# Altium PCB SI944D.PcbDoc (part 1 of 5)
Units mm, origin at the board's own origin, x right, y up, seen from the top; angles counter-clockwise.
Board outline 281.94 x 89 mm, 4 copper layers (Top, MidLayer1, MidLayer2, Bottom), stack 1.65 mm thick; 571 components, 351 nets, 1529 pads, 905 vias.
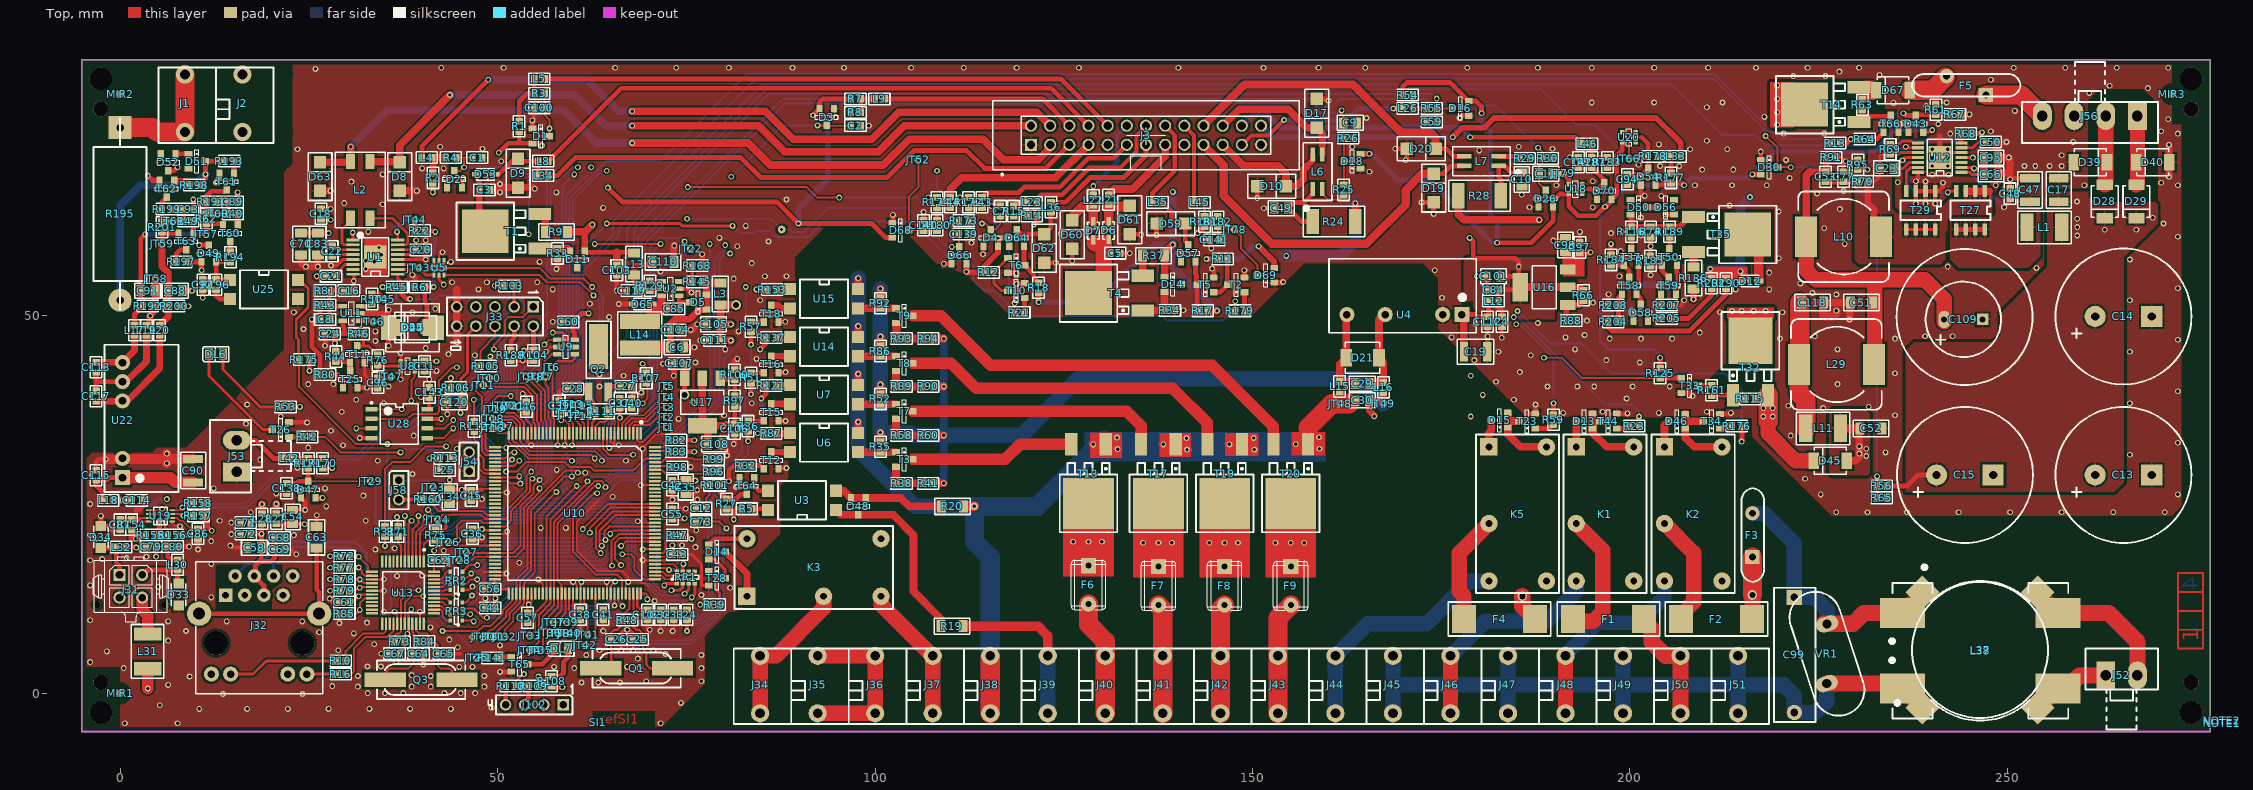
[diagram p0: Top view]
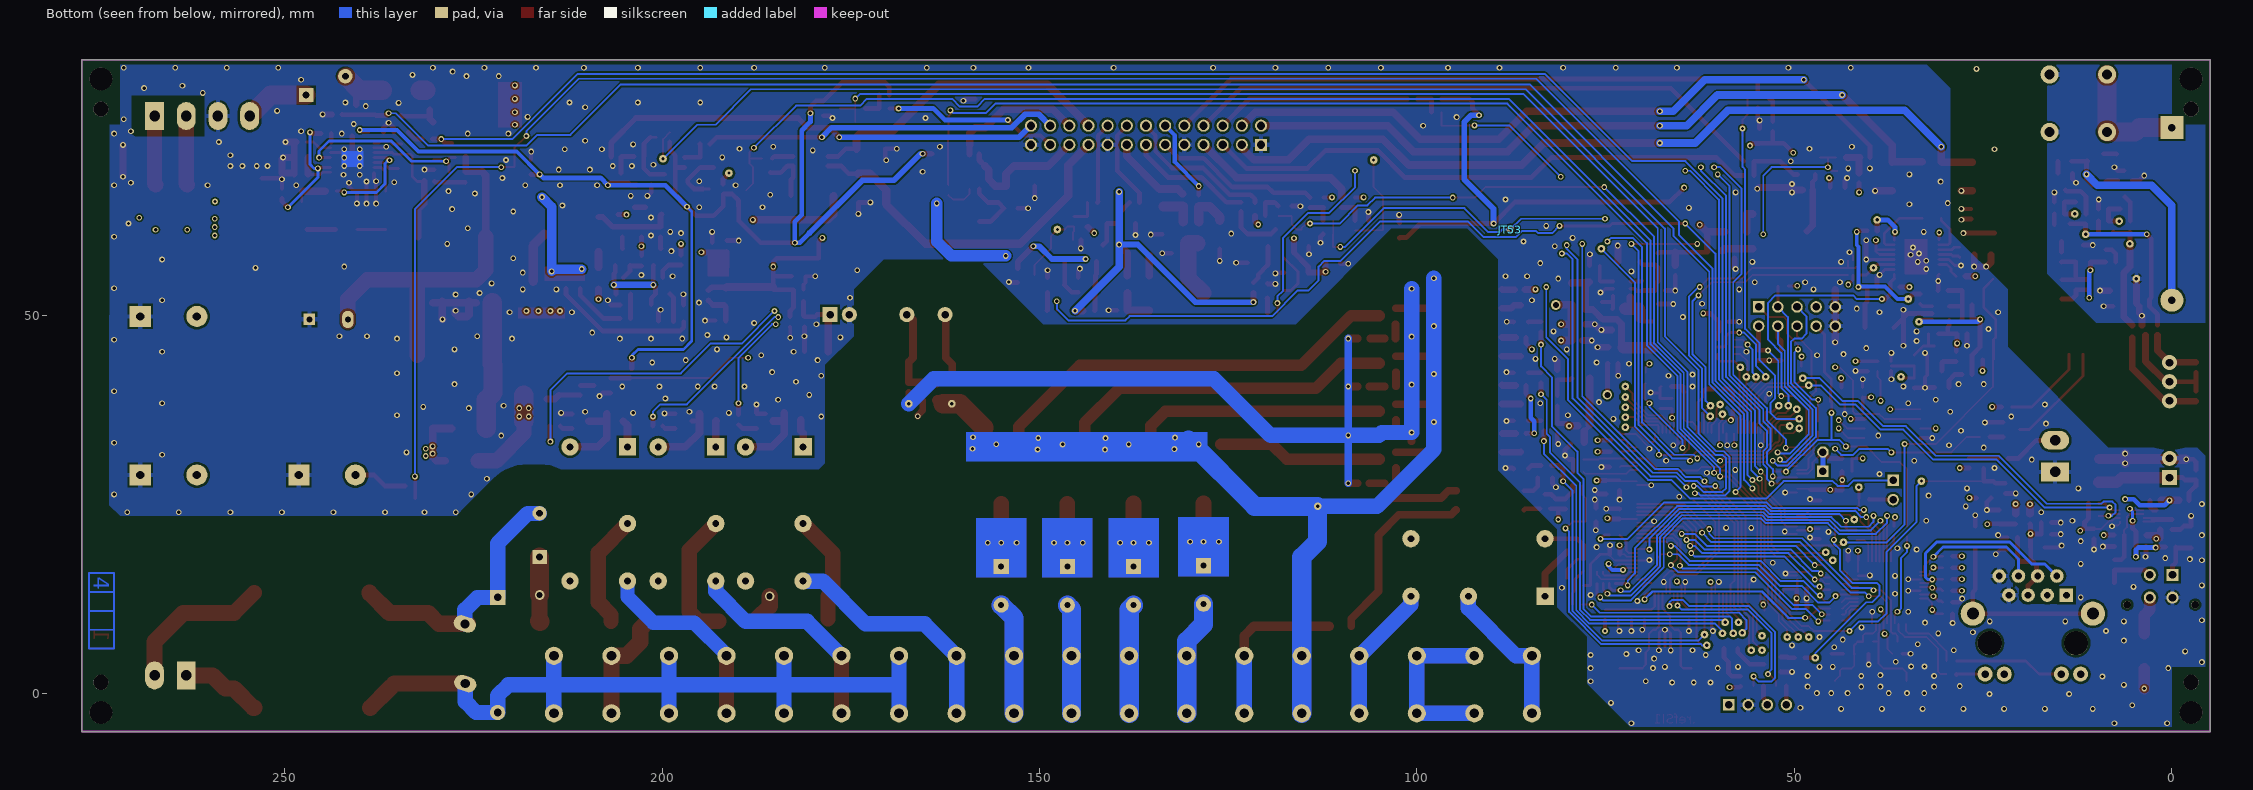
[diagram p1: Bottom view, seen from below]
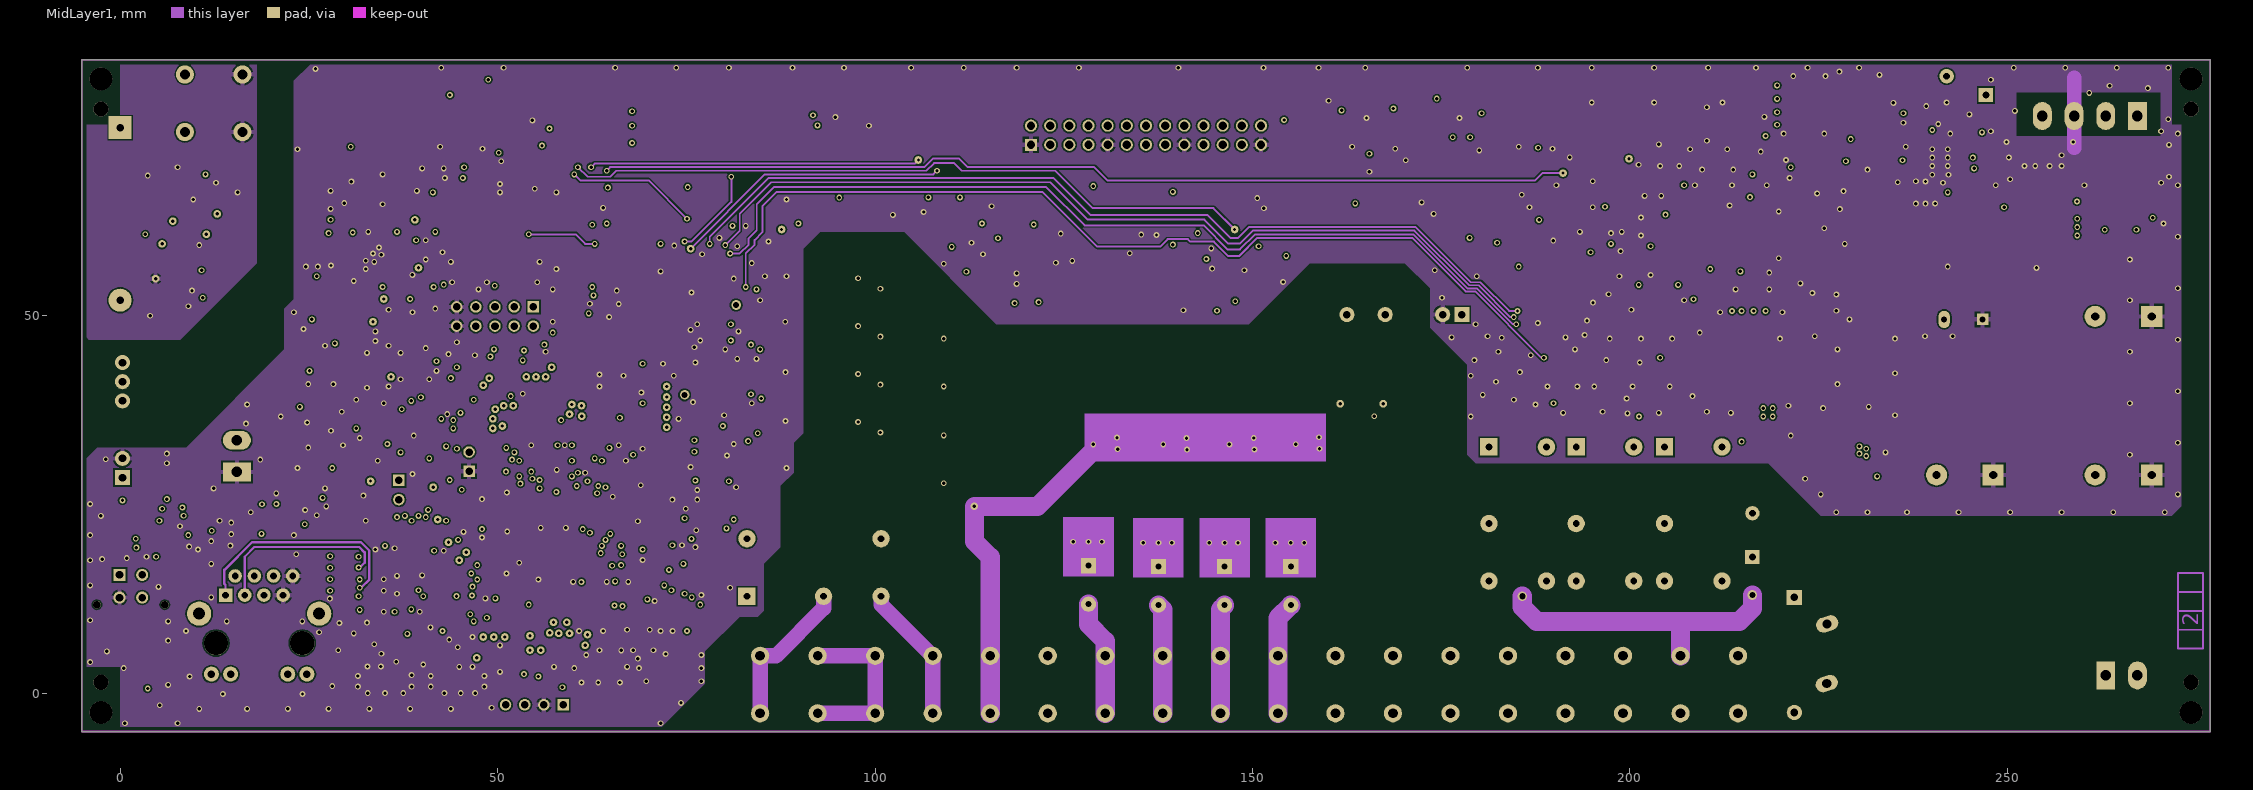
[diagram p2: MidLayer1]
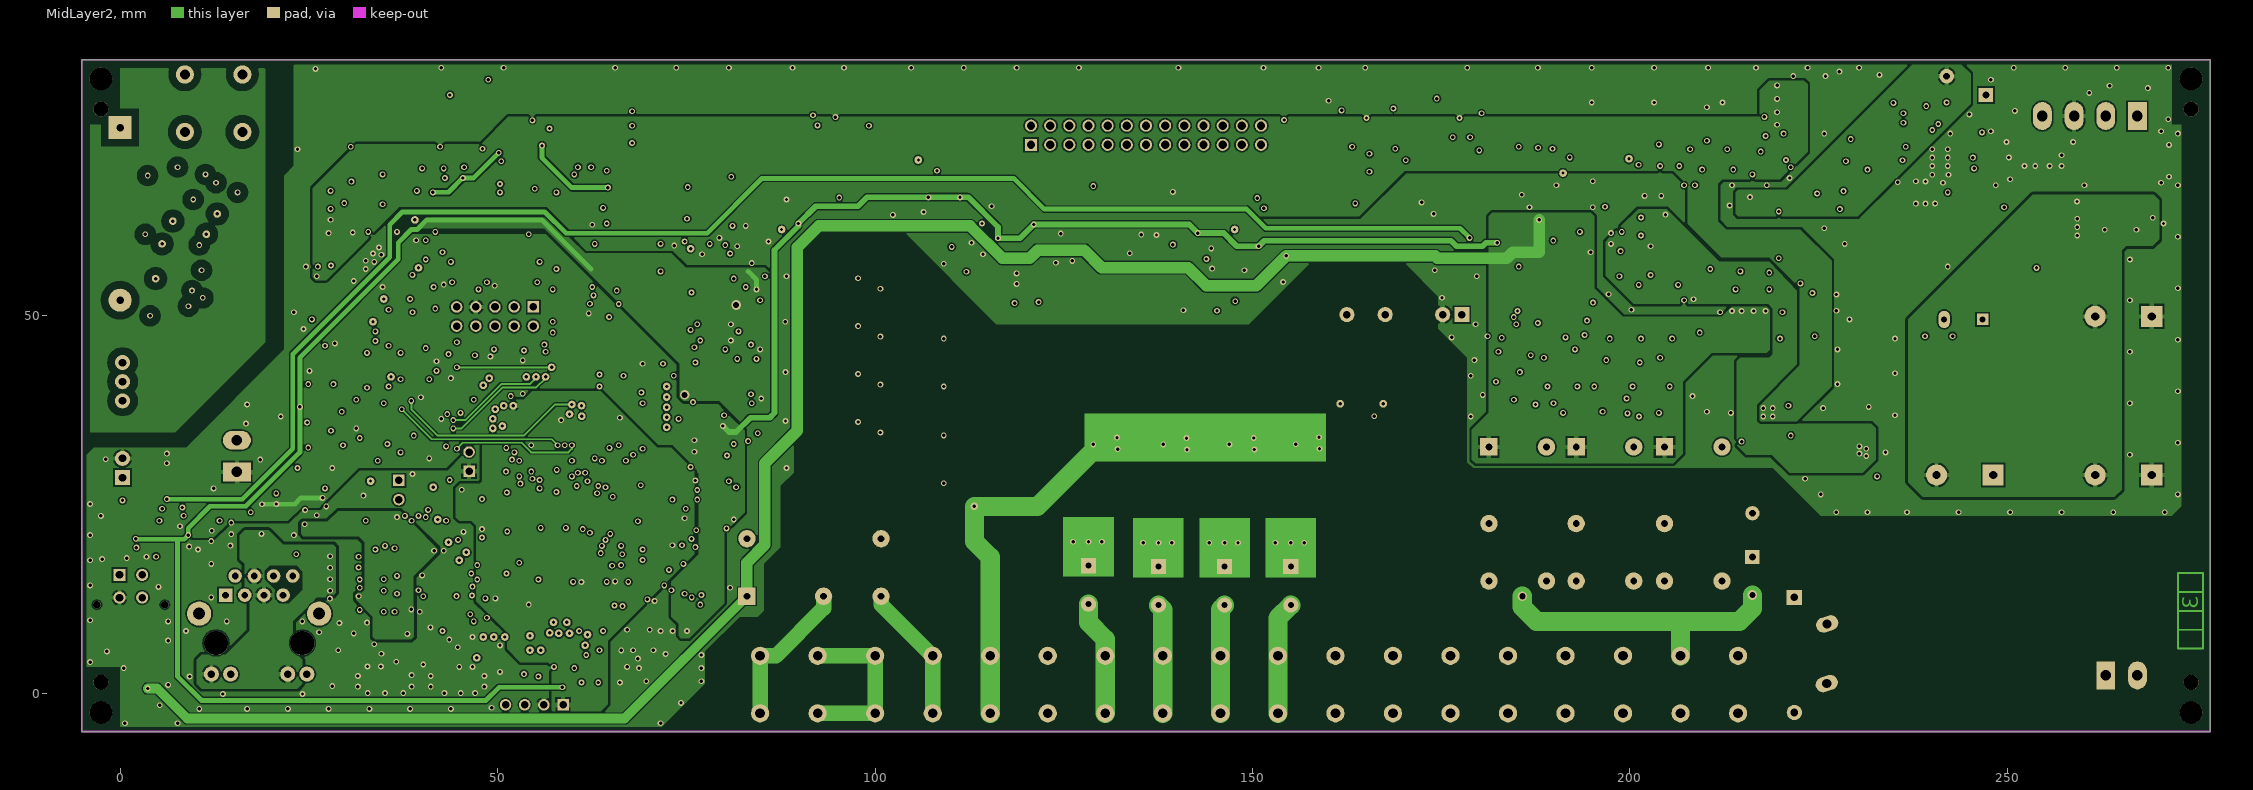
[diagram p3: MidLayer2]

## Layer stack, top to bottom
Top Mask: solder mask 0.0102, Solder Resist, Dk 3.5
Top: signal copper 0.035
Dielectric1: prepreg 0.4, FR-4, Dk 4.8
MidLayer1: signal copper 0.035
Dielectric2: core 0.71, FR-4, Dk 4.8
MidLayer2: signal copper 0.035
Dielectric3: prepreg 0.4, FR-4, Dk 4.8
Bottom: signal copper 0.035
Bot Mask: solder mask 0.0102, Solder Resist, Dk 3.5

## Board outline
-5.08,-5.08 276.86,-5.08 276.86,83.92 -5.08,83.92

## Design rules (kind name [scope] priority, off if disabled: settings)
Clearance Clearance_copper_flottant [InPolygon      and not inanynet] p1: gap=1.016
Clearance Clearance_MIR [InComponent ('MIR*')] p2: gap=1
Clearance Clearance_BT_MID [IsElectrical      and (InNetClass('BT') or haspad('K*-12')) and OnMid     and not IsRegion vs IsElectrical      and not (InNetClass('BT')) and OnMid          and not IsRegion] p3: gap=0.7
Clearance Clearance_BT_EXT [IsElectrical      and (InNetClass('BT')or haspad('K*-12')) and not OnMid vs IsElectrical      and not (InNetClass('BT'))    and not OnMid] p4: gap=5.5
Clearance Clearance_PHASE-ALL_MID [InNetClass('PH_BT')   and OnMid vs not InNetClass('PH_BT')   and OnMid] p5 off: gap=0.7 // valeur 0.7mm basée sur isolements BT-TBT (non confirmé pour phase-neutre)
Clearance Clearance_PHASE-ALL_EXT [IsElectrical and InNetClass('PH_BT')   and not  OnMid vs IsElectrical and not InNetClass('PH_BT')   and not OnMid] p6 off: gap=1.5
Clearance Clearance_NEUTRE-ALL_MID [IsElectrical and InNetClass('PH_BT')           and not OnMid vs IsElectrical and not InNetClass('PH_BT')     and not OnMid] p7 off: gap=0.7 // valeur 0.7mm basée sur isolements BT-TBT (non confirmé pour phase-neutre)
Clearance Clearance_NEUTRE-ALL_EXT [IsElectrical and InNetClass('PH_BT')           and  OnMid vs IsElectrical and not InNetClass('PH_BT')     and  OnMid] p8 off: gap=1.5
Clearance Clearance_BoardToNotCopper_Multi [(OnLayer('Board')) vs not isregion] p9: gap=0.508 // Isolement Electrique entre Bord de carte et Tout sauf Coppers
Clearance Clearance_BoardToCopper_Multi [isregion vs (OnLayer('Board'))] p10: gap=0.508 // Isolement Electrique entre Copper-Pours et Bord du circuit imprimé en Multi-Couches
Clearance Clearance_CopperToCopper_Multi [isregion    or isfill vs isregion   or isfill] p11: gap=0.381 // Isolement Electrique entre Copper-Pours en Multi-Couches
Clearance Clearance_CopperToPad_Outside [isregion and OnOutside vs Ispad] p12: gap=0.305 // Isolement Electrique entre Copper-Pours et Pads en couche Externes
Clearance Clearance_CopperToPad_Mid [isregion and OnMid vs Ispad] p13: gap=0.203 // Isolement Electrique entre Copper-Pours et Pads en couche Internes
Clearance Clearance_CopperToNotPad_Multi [Isregion vs not IsPad] p14: gap=0.203 // Isolement Electrique entre Copper-Pours et Tout sauf Pads en Multi-Couches
Clearance Clearance_PadToPad_Multi [IsPad vs IsPad] p15: gap=0.15 // Isolement Electrique entre Pads
Clearance Clearance_PadToVia_Multi [IsPad vs IsVia] p16: gap=0.15 // Isolement Electrique entre Pads et Vias
Clearance Clearance_PadToNotPad&Copper_Multi [IsPad vs (not IsPad) and (not isregion) and (not isvia)] p17: gap=0.15 // Isolement Electrique entre Pads et Tout sauf Pads et Coppers
Clearance Clearance_ViaToVia_Multi [IsVia vs IsVia] p18: gap=0.15 // Isolement Electrique entre Vias
Clearance Clearance_ViaToNotPad&Via_Multi [IsVia vs not ispad and not isvia] p19: gap=0.15 // Isolement Electrique entre Vias et Tout sauf Pads & Vias
Clearance Clearance_TrackToTrack_Multi [not InAnyDifferentialPair and IsTrack vs IsTrack] p20: gap=0.15 // Isolement Electrique entre Pistes
Clearance Clearance_TrackToNotTrack_Multi [IsTrack vs not IsTrack] p21: gap=0.15 // Isolement Electrique entre Pistes et Tout sauf Pistes
Clearance Clearance_Default-Minimum_All-All [All] p22: gap=0.15 // Isolement Electrique minimum global, sert par défaut pour éviter incidents de rules
ComponentClearance [All] p1: gap=0.254 collisioncheckmode=3 verticalgap=2540 showdistances=FALSE
FabricationTestPointUsage TestPointUsage [All] p1: valid=0 allowmultiple=FALSE
FabricationTestpoint Testpoint [All] p1: side=3 testpointundercomponent=TRUE minsize=1.016 maxsize=2.54 preferedsize=1.524 minholesize=0 maxholesize=1.016 preferedholesize=0.813 testpointgrid=0.025 allowsidetop=TRUE allowsidebottom=TRUE usegrid=TRUE gridtolerance=0
HoleSize [All] p1: absolutevalues=TRUE maxlimit=10.16 minlimit=0.025 maxpercent=80.000 minpercent=20.000
MinimumAnnularRing [All] p1: minimumring=0.16
MinimumSolderMaskSliver [All] p1: minsoldermaskwidth=0.102
PasteMaskExpansion [All] p1: expansion=-0.051
PlaneClearance [All] p1: clearance=0.305
PlaneConnect [All] p1: planeconnectstyle=Direct reliefexpansion=0 reliefentries=4 reliefconductorwidth=0.254 reliefairgap=0.254
PolygonConnect PolygonConnect_Vias [IsVia vs IsPolygon] p1: connectstyle=Direct reliefconductorwidth=0.254 reliefentries=4 polygonreliefangle="90 Angle" airgapwidth=0.254
PolygonConnect PolygonConnect_Pads_NotTOP [IsPad vs IsPolygon and not ontoplayer] p2: connectstyle=Relief reliefconductorwidth=0.635 reliefentries=4 polygonreliefangle="90 Angle" airgapwidth=0.254
PolygonConnect PolygonConnect_Pads-TOP [IsPad vs IsPolygon and ontoplayer] p3: connectstyle=Relief reliefconductorwidth=0.254 reliefentries=4 polygonreliefangle="90 Angle" airgapwidth=0.254
RoomDefinition SDEC944-xD_Téléinformation [InComponentClass('SDEC944-xD_Téléinformation')] p1: confinementstyle=ConfineIn formatcopy=TRUE lockcomponents=FALSE outline -68.928,-126.213 -18.128,-126.213 -18.128,-100.813 -68.928,-100.813
RoomDefinition SDEC944-xD_Sirènes_(alim+commande+ouverture) [InComponentClass('SDEC944-xD_Sirènes_(alim+commande+ouverture)')] p2: confinementstyle=ConfineIn formatcopy=TRUE lockcomponents=FALSE outline -68.928,-126.213 -18.128,-126.213 -18.128,-100.813 -68.928,-100.813
RoomDefinition SDEC944-xD_Prises_de_Sécurité [InComponentClass('SDEC944-xD_Prises_de_Sécurité')] p3: confinementstyle=ConfineIn formatcopy=TRUE lockcomponents=FALSE outline -68.928,-126.213 -18.128,-126.213 -18.128,-100.813 -68.928,-100.813
RoomDefinition SDEC944-xD_Machines_laver_1-2_(détection_fuites) [InComponentClass('SDEC944-xD_Machines_laver_1-2_(détection_fuites)')] p4: confinementstyle=ConfineIn formatcopy=TRUE lockcomponents=FALSE outline -68.928,-126.213 -18.128,-126.213 -18.128,-100.813 -68.928,-100.813
RoomDefinition SDEC944-xD_Liaison_Boîtiers_Auxiliaires [InComponentClass('SDEC944-xD_Liaison_Boîtiers_Auxiliaires')] p5: confinementstyle=ConfineIn formatcopy=TRUE lockcomponents=FALSE outline -68.928,-126.213 -18.128,-126.213 -18.128,-100.813 -68.928,-100.813
RoomDefinition SDEC944-xD_Détecteurs_présence_(alim+signal+ouverture) [InComponentClass('SDEC944-xD_Détecteurs_présence_(alim+signal+ouverture)')] p6: confinementstyle=ConfineIn formatcopy=TRUE lockcomponents=FALSE outline -68.928,-126.213 -18.128,-126.213 -18.128,-100.813 -68.928,-100.813
RoomDefinition SDEC944-xD_Détecteur_ouverture_maison_(signal) [InComponentClass('SDEC944-xD_Détecteur_ouverture_maison_(signal)')] p7: confinementstyle=ConfineIn formatcopy=TRUE lockcomponents=FALSE outline -68.928,-126.213 -18.128,-126.213 -18.128,-100.813 -68.928,-100.813
RoomDefinition SDEC944-xD_Réserves_(ETOR) [InComponentClass('SDEC944-xD_Réserves_(ETOR)')] p8: confinementstyle=ConfineIn formatcopy=TRUE lockcomponents=FALSE outline -68.928,-126.213 -18.128,-126.213 -18.128,-100.813 -68.928,-100.813
RoutingVias [All] p1: holewidth=0.45 width=0.77 viastyle="Through Hole" minholewidth=0.45 minwidth=0.77 maxholewidth=0.8 maxwidth=1.3
ShortCircuit [IsElectrical vs IsElectrical] p1: allowed=FALSE
SilkToSolderMaskClearance SilkscreenOverComponentPads [IsPad] p1: minsilkscreentomaskgap=0.254 clearancetoexposedcopper=TRUE
SolderMaskExpansion [All] p1: expansion=0.102
Width [All] p1: maxlimit=7.62 minlimit=0.152 preferedwidth=0.381 minimp=50.000000 maximp=50.000000 favimp=50.000000
20 further rules are at their usual default settings.

## Classes and differential pairs
component class SDEC944-xD_Téléinformation: C88 C89 C90 C91 C92 C93 C113 C114 C115 C117 D49 D51 D52 DL6 JT57 JT58 JT59 JT60 JT61 L17 L18 L19 L20 R40 R42 R49 R53 R62 R175 R191 R192 R193 R194 R195 R196 R197 R198 R199 R200 R201 T26 T60 T61 T62 T63 U22 U25
component class SDEC944-xD_Sirènes_(alim+commande+ouverture): C5 C7 C141 D4 D6 D7 D24 D57 D59 D60 D61 D62 D64 D69 L21 L22 L23 L35 L36 L45 R11 R12 R14 R15 R17 R18 R21 R34 R37 R179 R181 R182 T2 T4 T5 T6 T10
component class SDEC944-xD_Réserves_(ETOR): C94 C142 D54 D70 L33 L46 R177 R178 R183 R187 U18 U20
component class SDEC944-xD_Prises_de_Sécurité: D13 F1 K1 R23 T44
component class SDEC944-xD_Machines_laver_1-2_(détection_fuites): C9 C10 C11 C49 D10 D17 D18 D19 D20 D26 L6 L7 R24 R25 R26 R28 R29 R30
component class SDEC944-xD_Liaison_Boîtiers_Auxiliaires: C79 C80 C86 C87 D33 D34 J31 L30 L31 L32 R154 R155 R156 R157 R158 U19
component class SDEC944-xD_Détecteur_ouverture_maison_(signal): C1 D2 L4 R2 R4
component class SDEC944-xD_Détecteurs_présence_(alim+signal+ouverture): C2 C3 C100 C139 C140 D1 D3 D9 D11 D53 D66 D68 L5 L8 L9 L34 L43 L44 R1 R3 R7 R8 R9 R33 R172 R173 R174 R180 T1
component class SDEC944-xD_Alimentation_1-2: C13 C14 C15 C17 C23 C47 C48 C50 C51 C52 C53 C66 C77 C95 C99 C109 C118 D28 D29 D30 D39 D40 D43 D45 D67 F3 F5 J52 J56 L1 L10 L11 L29 L37 L38 NOTE1 NOTE2 NOTE3 R13 R56 R61 R63 R64 R65 R67 R68 R69 R70 R91 R95 T14 T27 T29 T66 U12 VR1
component class SDEC944-xD_Alimentation_2-2: C6 C84 C85 C97 C98 C101 C103 C104 C105 C106 C107 C108 C110 C111 C119 D5 D65 J58 JC2 L3 L13 L14 R66 R88 R97 R100 R115 R125 R129 R145 R160 R161 R168 T32 T33 U2 U16 U17
component class SDEC944-xD_Arrosage_(detect_pluie+commande_vanne): C59 D14 D16 K3 L26 R39 R54 R55 T28
component class SDEC944-xD_Chargeur_Batterie: D12 D50 D56 D58 R74 R116 R184 R185 R186 R189 R190 R202 R204 R205 R207 R208 T35 T37 T50 T58 T59
component class SDEC944-xD_Borniers: J1 J2 J3 J34 J35 J36 J37 J38 J39 J40 J41 J42 J43 J44 J45 J46 J47 J48 J49 J50 J51
component class SDEC944-xD_Coeur: C25 C26 C27 C28 C32 C33 C34 C35 C36 C37 C38 C39 C40 C41 C42 C43 C44 C45 C46 C55 C56 C57 C102 C120 DL7 J33 J54 J102 JT1 JT2 JT3 JT4 JT5 JT6 JT7 JT8 JT9 JT10 JT11 JT12 JT13 JT14 JT15 JT16 JT17 JT18 JT19 JT20 JT21 JT22 JT23 JT24 JT25 JT26 JT27 JT28 JT29 JT30 JT31 JT32 JT33 JT34 JT35 JT36 JT37 JT38 JT39 JT40 JT41 JT42 JT52 JT53 JT66 JT78 JT79 L24 L25 Q1 Q2 R47 R48 R82 R83 R96 R98 R99 R103 R104 R105 R106 R107 R108 R109 R110 R111 R112 R113 R141 R188 RR1 T65 U10
component class SDEC944-xD_Cumulus: D46 F2 K2 R176 T34
net class BT: +12VISOFP +12VISOTI -12VISOTI CU_K1 EV FP_SDB1 FP_SDB2 FP_ZJ FP_ZN GNDISOFP GNDISOTI MAL_K1 N_ALIM N_EV N_FP NetC29_1 NetC29_2 NetC89_2 NetC92_1 NetC92_2 NetC93_1 NetC99_1 NetC113_1 NetC113_2 NetC117_2 NetD48_1 NetD48_3 NetD51_1 NetD51_3 NetF1_1 NetF2_1 NetF4_1 NetF6_1 NetF7_1 NetF8_1 NetF9_1 NetJ52_1 NetJ52_2 NetK1_12 NetK2_12 NetK3_12 NetK5_12 NetR35_1 NetR38_1 NetR38_2 NetR40_2 NetR49_2 NetR52_1 NetR58_1 NetR58_2 NetR62_1 NetR86_1 NetR89_1 NetR89_2 NetR92_1 NetR93_1 NetR93_2 NetR193_2 NetR194_2 NetR197_1 NetR198_2 NetR199_2 NetT3_3 NetT7_3 NetT8_3 NetT9_3 PH_ALIM PH_ALIM_NC1 PH_ALIM_NC2 PH_ALIM_NC3 PH_EV PH_EV_NC PS_K1 TELEINFO_A
net class PH_BT: +12VISOFP CU_K1 EV FP_SDB1 FP_SDB2 FP_ZJ FP_ZN MAL_K1 NetF1_1 NetF2_1 NetF4_1 PH_ALIM PH_ALIM_NC1 PH_ALIM_NC2 PH_ALIM_NC3 PH_EV PH_EV_NC PS_K1
net class NT_BT: N_ALIM N_EV N_FP

## Components (designator, comment, footprint, x,y, rotation, side; value= is the part's Value field where it differs from the comment)
C1 "C_0603_X7R_10%_100N-50V" 0603_ReflowSoldering_CAP 47.307,70.961 r0 top
C2 "C_0603_X7R_10%_100N-50V" 0603_ReflowSoldering_CAP 97.409,75.184 r0 top
C3 "C_0603_X7R_10%_100N-50V" 0603_ReflowSoldering_CAP 48.26,66.675 r0 top
C4 "C_0603_X7R_10%_100N-50V" 0603_ReflowSoldering_CAP 183.039,49.212 r270 top
C5 "C_0603_X7R_10%_100N-50V" 0603_ReflowSoldering_CAP 131.826,58.293 r0 top
C6 "C_0805_X5R_10%_10U-16V" 0805_ReflowSoldering_CAP 73.787,45.847 r180 top
C7 "C_0603_X7R_10%_100N-50V" 0603_ReflowSoldering_CAP 116.586,63.881 r90 top
C8 "C_0603_NC" 0603_ReflowSoldering_CAP 27.146,49.53 r0 top
C9 "C_0805_X7R_10%_470N-50V" 0805_ReflowSoldering_CAP 162.941,75.565 r180 top
C10 "C_0805_X7R_10%_470N-50V" 0805_ReflowSoldering_CAP 185.674,68.072 r90 top
C11 "C_0805_X7R_10%_470N-50V" 0805_ReflowSoldering_CAP 188.849,68.834 r180 top
C12 "C_0603_X7R_10%_10N-50V" 0603_ReflowSoldering_CAP 76.962,24.511 r0 top
C13 "C_ELE_3900U_35V_UHE1V392MD" CAP_ELE_18X40_E7.5MM 265.36,28.92 r180 top locked
C14 "C_ELE_3900U_35V_UHE1V392MD" CAP_ELE_18X40_E7.5MM 265.36,49.92 r180 top locked
C15 "C_ELE_3900U_35V_UHE1V392MD" CAP_ELE_18X40_E7.5MM 244.36,28.92 r180 top locked
C16 "C_0603_NPO_5%_1N-50V" 0603_ReflowSoldering_CAP 30.321,53.34 r180 top
C17 "C_1210_X5R_10%_10U-35V" 1210_ReflowSoldering_CAP 256.794,66.675 r270 top
C18 "C_0603_X7R_10%_100N-50V" 0603_ReflowSoldering_CAP 26.607,63.5 r90 top
C19 "C_1210_X5R_10%_10U-35V" 1210_ReflowSoldering_CAP 179.546,45.244 r180 top
C20 "C_0603_X7R_10%_100N-50V" 0603_ReflowSoldering_CAP 39.846,58.737 r0 top
C21 "C_0603_X7R_10%_100N-50V" 0603_ReflowSoldering_CAP 27.94,55.245 r0 top
C22 "C_0603_X7R_10%_100N-50V" 0603_ReflowSoldering_CAP 28.099,58.579 r270 top
C23 "C_0805_X7R_10%_470N-50V" 0805_ReflowSoldering_CAP 233.998,69.532 r0 top
C24 "C_0603_X7R_10%_100N-50V" 0603_ReflowSoldering_CAP 27.781,47.625 r180 top
C25 "C_0603_NPO_5%_18P-50V" 0603_ReflowSoldering_CAP 68.58,7.144 r0 top
C26 "C_0603_NPO_5%_18P-50V" 0603_ReflowSoldering_CAP 65.722,7.144 r180 top
C27 "C_0603_NPO_5%_18P-50V" 0603_ReflowSoldering_CAP 66.992,40.64 r0 top
C28 "C_0603_NPO_5%_18P-50V" 0603_ReflowSoldering_CAP 60.008,40.322 r180 top
C29 "C_0805_X5R_10%_1U-25V" 0805_ReflowSoldering_CAP 164.528,41.021 r180 top
C30 "C_0805_X5R_10%_1U-25V" 0805_ReflowSoldering_CAP 164.528,38.798 r180 top
C31 "C_0603_X7R_10%_100N-50V" 0603_ReflowSoldering_CAP 40.322,43.339 r270 top
C32 "C_0603_X7R_10%_100N-50V" 0603_ReflowSoldering_CAP 71.596,10.414 r270 top
C33 "C_0603_X7R_10%_100N-50V" 0603_ReflowSoldering_CAP 73.343,10.414 r270 top
C34 "C_0805_X5R_10%_10U-16V" 0805_ReflowSoldering_CAP 43.656,26.035 r90 top
C35 "C_0805_X5R_10%_10U-16V" 0805_ReflowSoldering_CAP 74.93,27.305 r90 top
C36 "C_0603_X7R_10%_100N-50V" 0603_ReflowSoldering_CAP 46.672,21.114 r270 top
C37 "C_0603_X7R_10%_100N-50V" 0603_ReflowSoldering_CAP 66.199,38.417 r90 top
C38 "C_0603_X7R_10%_100N-50V" 0603_ReflowSoldering_CAP 60.96,10.414 r270 top
C39 "C_0603_X7R_10%_100N-50V" 0603_ReflowSoldering_CAP 58.166,38.1 r90 top
C40 "C_0603_X7R_10%_100N-50V" 0603_ReflowSoldering_CAP 67.786,38.417 r90 top
C41 "C_0603_X7R_10%_100N-50V" 0603_ReflowSoldering_CAP 63.976,10.414 r270 top
C42 "C_0603_X7R_10%_100N-50V" 0603_ReflowSoldering_CAP 73.152,27.559 r270 top
C43 "C_0603_X7R_10%_100N-50V" 0603_ReflowSoldering_CAP 73.787,18.41 r0 top
C44 "C_0603_X7R_10%_100N-50V" 0603_ReflowSoldering_CAP 49.022,11.303 r180 top
C45 "C_0603_X7R_10%_100N-50V" 0603_ReflowSoldering_CAP 46.514,26.194 r270 top
C46 "C_0603_X7R_10%_100N-50V" 0603_ReflowSoldering_CAP 53.816,37.941 r90 top
C47 "C_1210_X5R_10%_10U-35V" 1210_ReflowSoldering_CAP 252.984,66.675 r270 top
C48 "C_0603_X7R_10%_100N-50V" 0603_ReflowSoldering_CAP 250.349,66.199 r90 top
C49 "C_0805_X7R_10%_470N-50V" 0805_ReflowSoldering_CAP 153.797,64.262 r0 top
C50 "C_0603_X7R_10%_100N-50V" 0603_ReflowSoldering_CAP 247.809,73.025 r0 top
C51 "C_1206_X5R_20%_22U-25V" 1206_ReflowSoldering_CAP 230.664,51.752 r0 top
C52 "C_1206_X5R_20%_22U-25V" 1206_ReflowSoldering_CAP 231.934,35.084 r180 top
C53 "C_0603_NPO_5%_390P-50V" 0603_ReflowSoldering_CAP 225.901,68.421 r270 top
C54 "C_0805_X5R_10%_10U-16V" 0805_ReflowSoldering_CAP 22.86,23.368 r270 top
C55 "C_0603_X7R_10%_100N-50V" 0603_ReflowSoldering_CAP 73.152,23.749 r90 top
C56 "C_0603_X7R_10%_100N-50V" 0603_ReflowSoldering_CAP 49.022,13.843 r180 top
C57 "C_0603_X7R_10%_100N-50V" 0603_ReflowSoldering_CAP 53.975,10.001 r270 top
C58 "C_0805_X5R_10%_10U-16V" 0805_ReflowSoldering_CAP 17.78,19.304 r0 top
C59 "C_0603_X7R_10%_100N-50V" 0603_ReflowSoldering_CAP 173.736,75.692 r180 top
C60 "C_0603_X7R_10%_100N-50V" 0603_ReflowSoldering_CAP 59.372,49.212 r180 top
C61 "C_0603_X7R_10%_100N-50V" 0603_ReflowSoldering_CAP 29.718,12.065 r180 top
C62 "C_0603_X7R_10%_100N-50V" 0603_ReflowSoldering_CAP 42.227,17.621 r0 top
C63 "C_1206_X7R_10%_1N-2KV" 1206_ReflowSoldering_CAP 26.035,20.669 r270 top
C64 "C_0603_NPO_5%_18P-50V" 0603_ReflowSoldering_CAP 39.529,5.239 r180 top
C65 "C_0603_NPO_5%_18P-50V" 0603_ReflowSoldering_CAP 42.862,5.239 r180 top
C66 "C_0805_X5R_10%_1U-25V" 0805_ReflowSoldering_CAP 247.809,68.739 r180 top
C67 "C_0603_X7R_10%_100N-50V" 0603_ReflowSoldering_CAP 36.354,5.239 r180 top
C68 "C_0603_X7R_10%_100N-50V" 0603_ReflowSoldering_CAP 21.114,20.637 r0 top
C69 "C_0603_X7R_10%_100N-50V" 0603_ReflowSoldering_CAP 21.114,19.05 r0 top
C70 "C_1206_X5R_20%_22U-25V" 1206_ReflowSoldering_CAP 23.971,59.531 r90 top
C71 "C_0603_X7R_10%_100N-50V" 0603_ReflowSoldering_CAP 16.637,22.606 r180 top
C72 "C_0603_X7R_10%_100N-50V" 0603_ReflowSoldering_CAP 16.637,21.082 r180 top
C73 "C_0603_X7R_10%_10N-50V" 0603_ReflowSoldering_CAP 76.962,22.733 r0 top
C77 "C_0603_NPO_5%_1N-50V" 0603_ReflowSoldering_CAP 228.282,68.421 r270 top
C79 "C_0603_NPO_5%_18P-50V" 0603_ReflowSoldering_CAP 4.1,19.431 r180 top